# Altium PCB MB1801.PcbDoc (part 1 of 2)
Units mm, origin at the board's own origin, x right, y up, seen from the top; angles counter-clockwise.
Board outline 70.1 x 57.1 mm, 2 copper layers (Top Layer, Bottom Layer), stack 1.554 mm thick; 124 components, 115 nets, 557 pads, 485 vias.
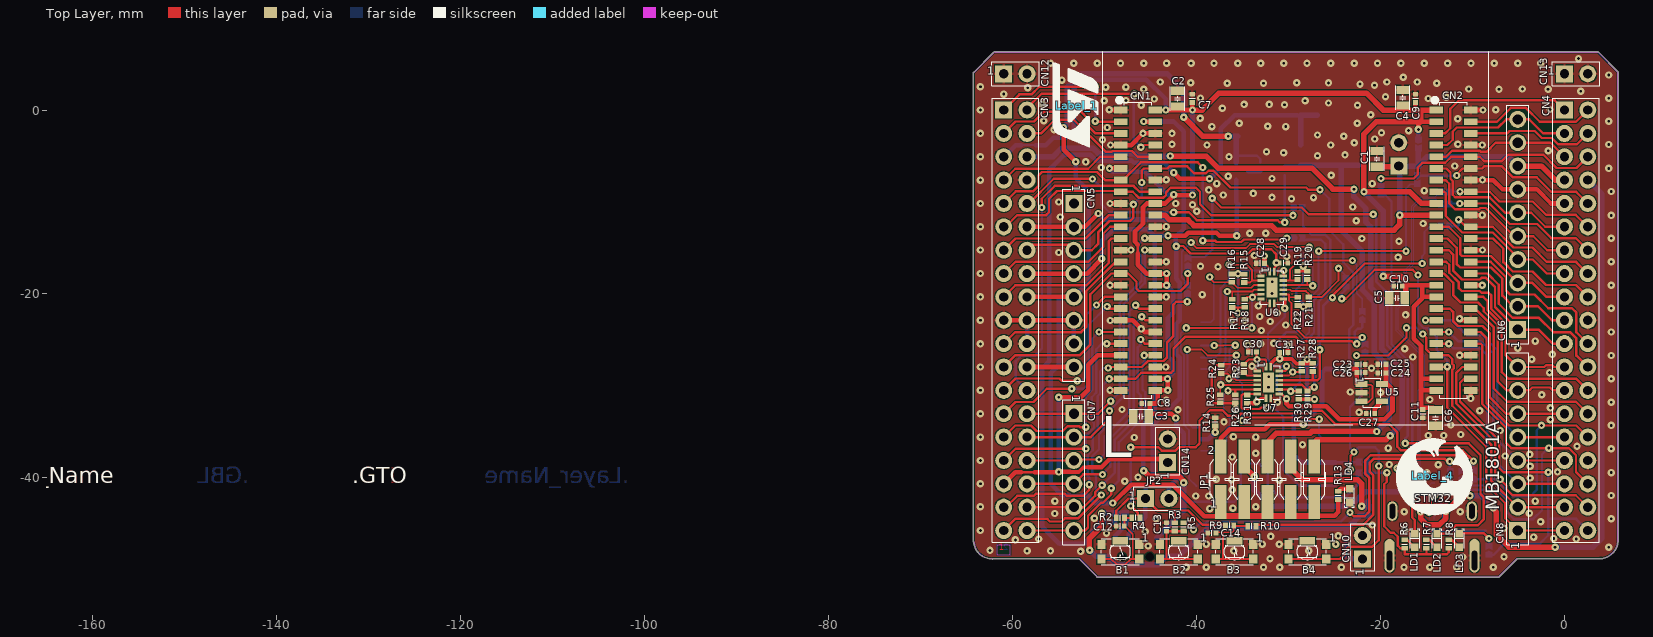
[diagram p0: Top Layer view]
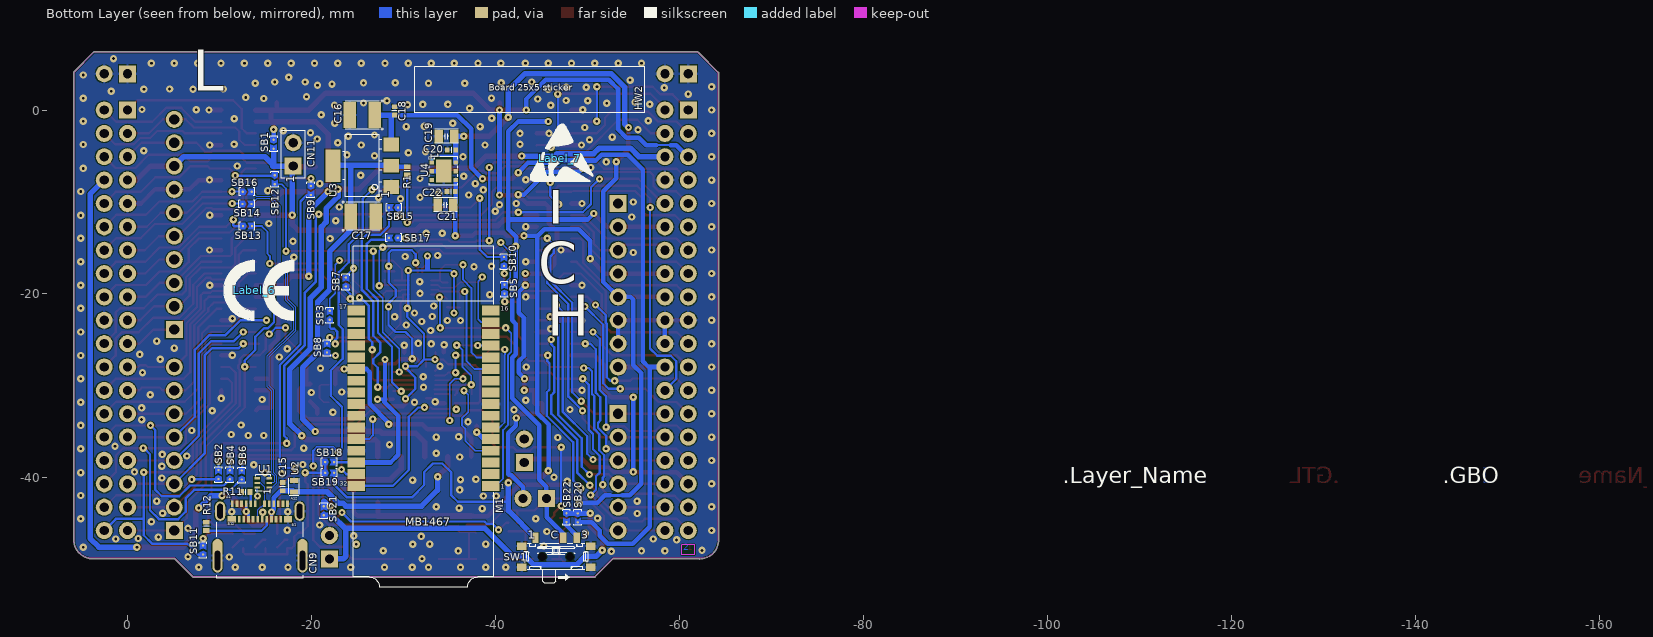
[diagram p1: Bottom Layer view, seen from below]
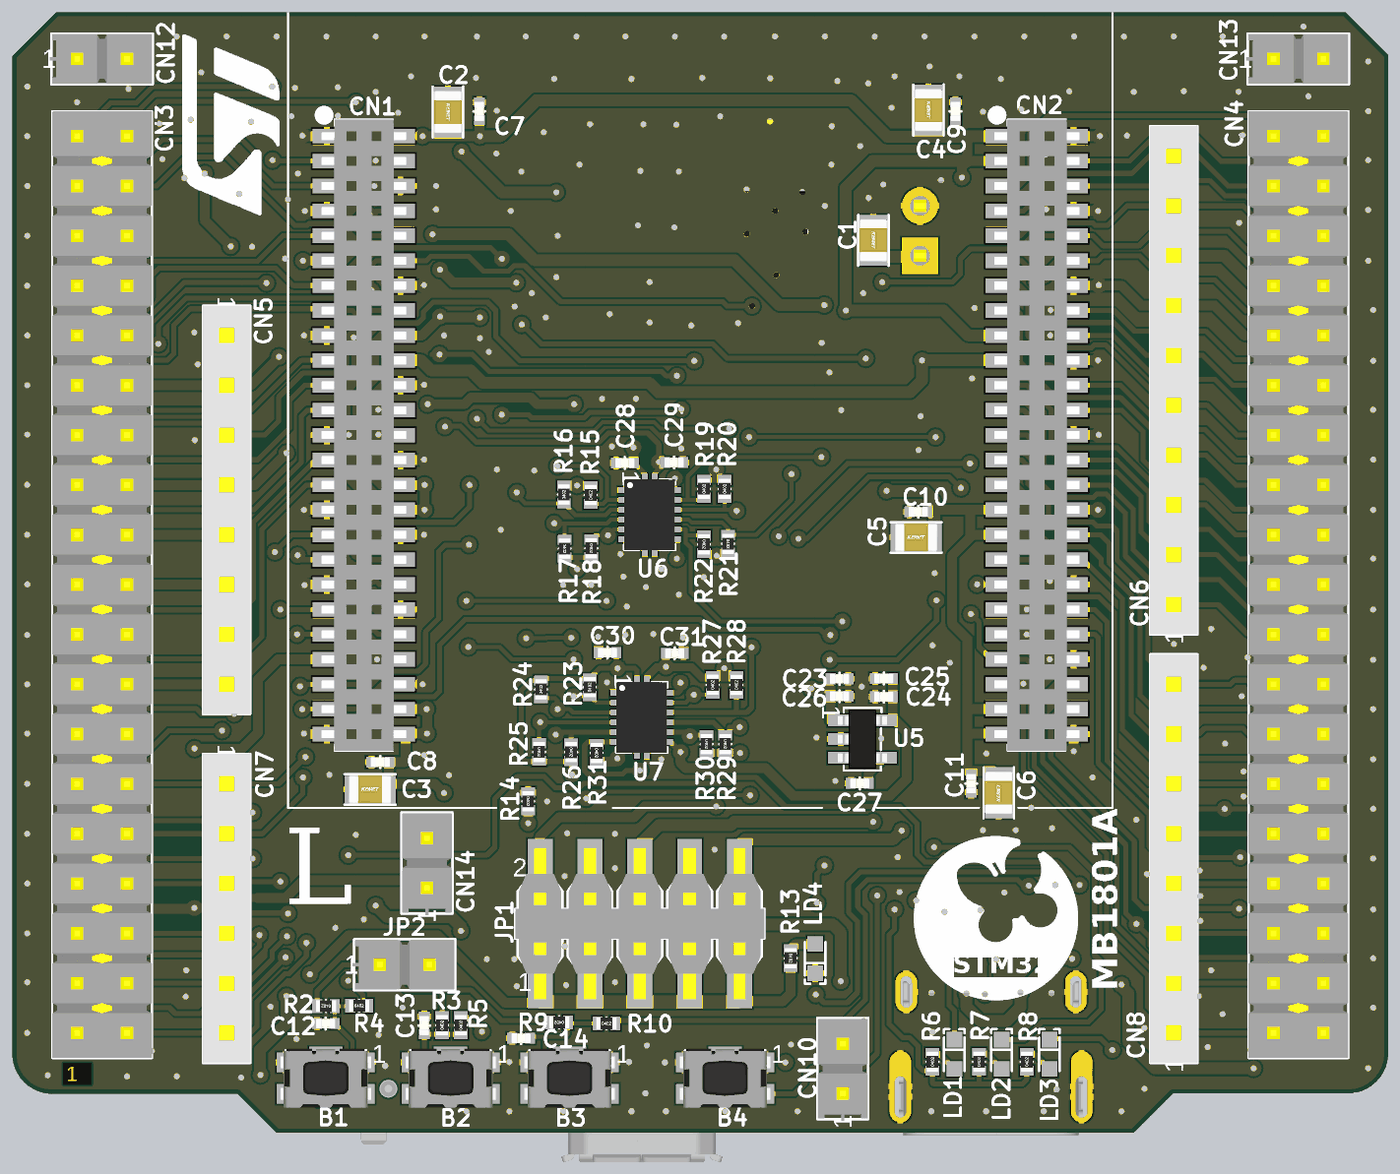
[diagram p3: 3D render of the assembled board from above, using the file's embedded part models]
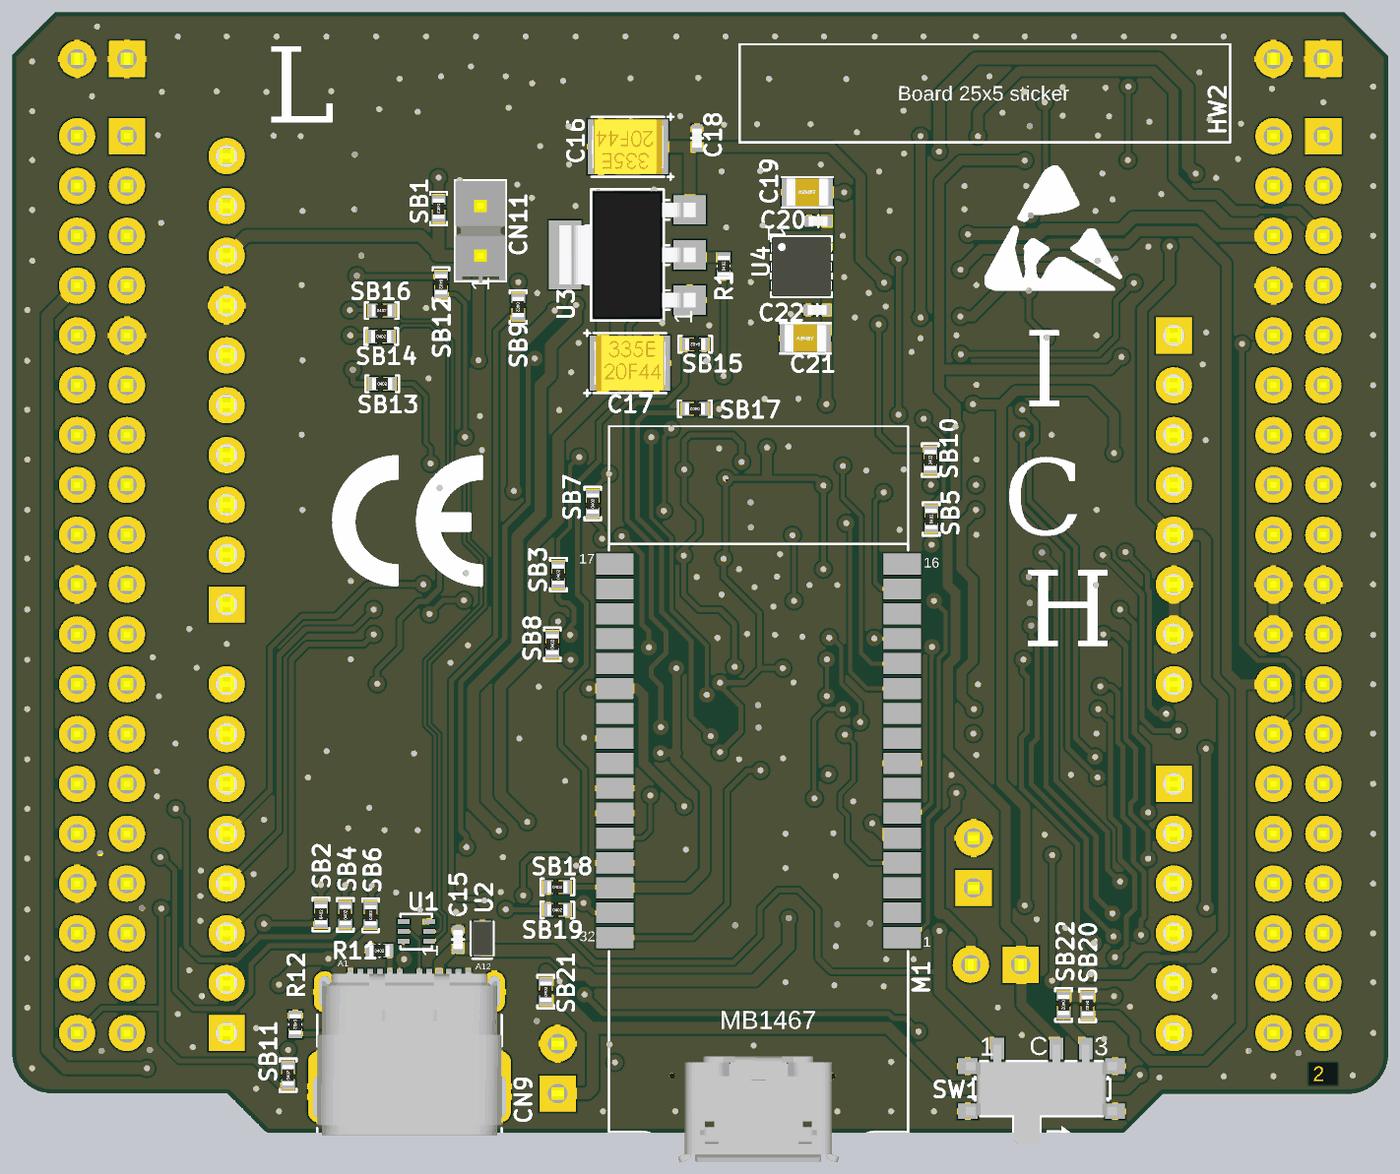
[diagram p4: 3D render of the assembled board from below, using the file's embedded part models]

## Layer stack, top to bottom
Top Solder: solder mask 0.0178, Solder Resist, Dk 4.2
Top Layer: signal copper 0.0406
Dielectric 1: dielectric 1.4732, FR-4, Dk 4.4
Bottom Layer: signal copper 0.0406
Bottom Solder: solder mask 0.0178, Solder Resist, Dk 4.2

## Board outline
-62.21,-48.818 ccw(c-62.21,-48.768) -62.183,-48.81 -52.79,-48.81 -50.822,-50.778 ccw(c-50.786,-50.743) -50.786,-50.793 -7.131,-50.793 ccw(c-7.131,-50.743) -7.095,-50.778 -5.11,-48.793 3.79,-48.793 ccw(c3.79,-46.743) 5.84,-46.743 ccw(c5.79,-46.743) 5.84,-46.742 5.84,2.211 5.84,4.125 ccw(c5.79,4.125) 5.825,4.161 5.826,4.16 3.693,6.293 3.694,6.292 ccw(c3.658,6.257) 3.658,6.307 -62.001,6.307 ccw(c-62.001,6.257) -62.037,6.292 -62.037,6.293 -64.246,4.084 -64.245,4.084 ccw(c-64.21,4.048) -64.26,4.048 -64.26,-46.768 ccw(c-64.21,-46.768) -64.26,-46.769 cw(c-62.21,-46.768) -64.26,-46.768 -64.26,-46.769 ccw(c-62.21,-46.768)

## Design rules (kind name [scope] priority, off if disabled: settings)
Clearance [All] p1: gap=0.1 ignorepadtopadclearanceinfootprint=FALSE
ComponentClearance [All] p1: gap=0.2 collisioncheckmode=3 verticalgap=0.2 showdistances=FALSE
DiffPairsRouting [All] p1: maxlimit=0.102 minlimit=0.102 mostfreqgap=0.102 toplayer_minwidth=0.12 toplayer_maxwidth=0.12 toplayer_prefwidth=0.12 bottomlayer_minwidth=0.12 bottomlayer_maxwidth=0.12 bottomlayer_prefwidth=0.12 maxuncoupledlength=12.7
HoleSize [All] p1: absolutevalues=TRUE maxlimit=10 minlimit=0.025 maxpercent=80.000 minpercent=20.000
MatchedLengths "Schematic Matched Net Lengths_3" [InNet('USB_C_N')] p1: tolerance=2 checknetsindiffpair=TRUE checkdiffpairvsdiffpair=FALSE checkxsignals=FALSE checkothers=FALSE
MatchedLengths "Schematic Matched Net Lengths_2" [InNet('USB_C_P')] p2: tolerance=2 checknetsindiffpair=TRUE checkdiffpairvsdiffpair=FALSE checkxsignals=FALSE checkothers=FALSE
MatchedLengths "Schematic Matched Net Lengths_1" [InNet('USB_P')] p3: tolerance=2 checknetsindiffpair=TRUE checkdiffpairvsdiffpair=FALSE checkxsignals=FALSE checkothers=FALSE
MatchedLengths "Schematic Matched Net Lengths" [InNet('USB_N')] p4: tolerance=2 checknetsindiffpair=TRUE checkdiffpairvsdiffpair=FALSE checkxsignals=FALSE checkothers=FALSE
MaxMinImpedance "Schematic Impedance Constraint_8" [InNet('USB_C_P')] p1: minimum=85,00 maximum=95,00
MaxMinImpedance "Schematic Impedance Constraint_7" [InNet('USB_P')] p2: minimum=85,00 maximum=95,00
MaxMinImpedance "Schematic Impedance Constraint_6" [InNet('USB_C_N')] p3: minimum=85,00 maximum=95,00
MaxMinImpedance "Schematic Impedance Constraint" [InNet('USB_N')] p4: minimum=85,00 maximum=95,00
MinimumSolderMaskSliver [All] p1: minsoldermaskwidth=0.1
PlaneConnect [All] p1: planeconnectstyle=Direct reliefexpansion=0.508 reliefentries=4 reliefconductorwidth=0.21 reliefairgap=0.21
PolygonConnect PolygonConnect_via [IsVia] p1: connectstyle=Direct reliefconductorwidth=0.254 reliefentries=4 polygonreliefangle="90 Angle" airgapwidth=0.254
PolygonConnect [All] p2: connectstyle=Relief reliefconductorwidth=0.3 reliefentries=4 polygonreliefangle="90 Angle" airgapwidth=0.1
RoutingVias [All] p1: holewidth=0.3 width=0.8 viastyle="Through Hole" minholewidth=0.3 minwidth=0.8 maxholewidth=0.3 maxwidth=0.8
SilkToSilkClearance [All] p1: silktosilkclearance=0.2
SilkToSolderMaskClearance [IsPad] p1: minsilkscreentomaskgap=0.2 clearancetoexposedcopper=TRUE
SolderMaskExpansion [All] p1: expansion=0.102 istentingtop=FALSE
Width [All] p1: maxlimit=1 minlimit=0.2 preferedwidth=0.2 minimp=50.000000 maximp=50.000000 favimp=50.000000
23 further rules are at their usual default settings.

## Classes and differential pairs
component class Project_Overview: HW1 HW2
component class "STLINK-V3MODS & Level Shifter": C23 C24 C25 C26 C27 C28 C29 C30 C31 M1 R14 R15 R16 R17 R18 R19 R20 R21 R22 R23 R24 R25 R26 R27 R28 R29 R30 R31 U5 U6 U7
component class "Power Management": C16 C17 C18 C19 C20 C21 C22 CN10 CN12 CN13 HW1 JP1 JP2 LD4 R13 SB20 SB21 SB22 SW1 U3 U4
component class "LEDs & Push Buttons & USB-C Connector": B1 B2 B3 B4 C12 C13 C14 C15 CN9 LD1 LD2 LD3 R2 R3 R4 R5 R6 R7 R8 R9 R10 R11 R12 SB18 SB19 U1 U2
component class "Extension Connectors": C1 C2 C3 C4 C5 C6 C7 C8 C9 C10 C11 CN1 CN2 CN3 CN4 CN5 CN6 CN7 CN8 CN11 CN14 R1 SB1 SB2 SB3 SB4 SB5 SB6 SB7 SB8 SB9 SB10 SB11 SB12 SB13 SB14 SB15 SB16 SB17
differential pair USB: +USB_P -USB_N
differential pair USB_C: +USB_C_P -USB_C_N

## Components (designator, comment, footprint, x,y, rotation, side; value= is the part's Value field where it differs from the comment)
B1 "SW-PUSH-CMS_KMR2_BLACK" SWI_C&K_Y78B23110FP__ITT_KMR231GLFS -48.29,-48.022 r0 top value=KMR231GLFS
B2 "SW-PUSH-CMS_KMR2_BLACK" SWI_C&K_Y78B23110FP__ITT_KMR231GLFS -41.93,-48.022 r0 top value=KMR231GLFS
B3 "SW-PUSH-CMS_KMR2_BLACK" SWI_C&K_Y78B23110FP__ITT_KMR231GLFS -35.871,-48.022 r0 top locked value=KMR231GLFS
B4 "SW-PUSH-CMS_KMR2_BLACK" SWI_C&K_Y78B23110FP__ITT_KMR231GLFS -27.946,-48.022 r0 top locked value=KMR231GLFS
C1 "Capacitor" C0805_H0P85 -20.387,-5.308 r270 top value=1uF
C2 "Capacitor" C0805_H0P85 -42.066,1.23 r270 top value=1uF
C3 "Capacitor" C0805_H0P85 -46.035,-33.303 r0 top value=1uF
C4 "Capacitor" C0805_H0P85 -17.58,1.331 r270 top value=1uF
C5 "Capacitor" C0805_H0P85 -18.207,-20.457 r0 top value=1uF
C6 "Capacitor" C0805_H0P85 -13.999,-33.472 r90 top value=1uF
C7 "Capacitor" C0402 -40.464,1.268 r270 top value=100nF
C8 "Capacitor" C0402 -45.514,-31.904 r0 top value=100nF
C9 "Capacitor" C0402 -16.207,1.268 r270 top value=100nF
C10 "Capacitor" C0402 -18.1,-19.146 r0 top value=100nF
C11 "Capacitor" C0402 -15.403,-33.003 r90 top value=100nF
C12 "Capacitor" C0402 -48.293,-45.236 r0 top value=10nF
C13 "Capacitor" C0402 -43.272,-45.336 r270 top value=10nF
C14 "Capacitor" C0402 -38.339,-45.984 r0 top value=10nF
C15 "Capacitor" C0402 -16.87,-40.95 r270 bottom value=100pF
C16 "Cap_POL_TANA" CPOL_TAJ-B_1210_H210 -25.521,-0.546 r0 bottom value=10uF
C17 "Cap_POL_TANA" CPOL_TAJ-B_1210_H210 -25.621,-11.567 r180 bottom value=10uF
C18 "Capacitor" C0402 -29.046,-0.101 r270 bottom value=100nF
C19 "Capacitor" C0805_H0P85 -34.671,-2.864 r180 bottom value=1uF
C20 "Capacitor" C0402 -35.221,-4.332 r180 bottom value=100nF
C21 "Capacitor" C0805_H0P85 -34.569,-10.308 r180 bottom value=1uF
C22 "Capacitor" C0402 -35.171,-8.859 r180 bottom value=100nF
C23 "Capacitor" C0402 -22.113,-27.661 r180 top value=1uF
C24 "Capacitor" C0402 -19.852,-28.575 r0 top value=1uF
C25 "Capacitor" C0402 -19.852,-27.643 r0 top value=100nF
C26 "Capacitor" C0402 -22.113,-28.55 r180 top value=100nF
C27 "Capacitor" C0402 -21.082,-32.995 r0 top value=100nF
C28 "Capacitor" C0402 -33.049,-16.656 r180 top value=100nF
C29 "Capacitor" C0402 -30.54,-16.63 r180 top value=100nF
C30 "Capacitor" C0402 -33.935,-26.327 r180 top value=100nF
C31 "Capacitor" C0402 -30.51,-26.362 r180 top value=100nF
CN1 "CLP-125-02-F-D" CLP-125-02-F-D -46.355,-15.24 r0 top locked
CN2 "CLP-125-02-F-D" CLP-125-02-F-D -12.065,-15.24 r0 top locked
CN3 "Header 19x2" CON_SAMTEC_TSW-119-09-X-D -59.69,-22.86 r270 top locked
CN4 "Header 19x2" CON_SAMTEC_TSW-119-09-X-D 1.27,-22.86 r270 top locked
CN5 "Socket 8x1" CON_SAMTEC_SSW-108-01-X-S -53.34,-19.05 r270 top locked
CN6 "Socket 10x1" CON_SAMTEC_SSW-110-01-X-S -5.08,-12.446 r90 top locked
CN7 "Socket 6x1" CON_SAMTEC_SSW-106-01-X-S -53.34,-39.37 r270 top locked
CN8 "Socket 8x1" CON_SAMTEC_SSW-108-01-X-S -5.08,-36.83 r90 top locked
CN9 "USB_TYPE_C_Receptacle" CON_USB-TYPEC_MOLEX_2012670005 -14.392,-45.892 r180 bottom value=USB_C_2012670005
CN10 "Header 2x1" CON_SAMTEC_TSW-102-07-G-S -21.949,-47.535 r90 top
CN11 "Header 2x1" CON_SAMTEC_TSW-102-07-G-S -18.013,-4.823 r90 bottom
CN12 "Header 2x1" CON_SAMTEC_TSW-102-07-G-S -59.69,3.937 r0 top
CN13 "Header 2x1" CON_SAMTEC_TSW-102-07-G-S 1.27,3.937 r0 top locked
CN14 "Header 2x1" CON_SAMTEC_TSW-102-07-G-S -43.135,-37.049 r90 top
HW2 "STICKER_BOARD" STICKER_BOARD_25X5 -43.711,2.183 r180 bottom value="Sticker board"
JP1 "Jumper_Header 5x2 Fitted 1-2" CON_SAMTEC_TSM-105-01-L-DV -32.288,-40.146 r0 top value="Header 5x2"
JP2 "Jumper_Header 2x1 Fitted" CON_SAMTEC_TSW-102-07-G-S -44.271,-42.237 r0 top value="Header 2x1"
Label_1 "LOGO_ST" LOGO_ST_Size3 -53.029,0.465 r90 top
Label_4 "LOGO_STM32" LOGO_STM32 -14.298,-39.75 r0 top
Label_6 "LOGO_CE" "LOGO CE" -13.764,-19.607 r180 bottom
Label_7 "LOGO_ESD" "LOGO ESD" -46.982,-5.223 r180 bottom
LD1 "LED_blue" LED_0603_VISHAY_VLMB1300-GS08_BLUE_1A2K_H0P8 -16.266,-46.8 r90 top value=BLUE
LD2 "LED_green" LED_0603_VISHAY_VLMTG1300-GS08_GREEN_1A2K_H0P8 -13.852,-46.8 r90 top value="TRUE GREEN"
LD3 "LED_red" LED_0603_VISHAY_VLMS1300-GS08_RED_1A2K_H0P8 -11.424,-46.8 r90 top value=RED
LD4 "LED_green" LED_0603_VISHAY_VLMTG1300-GS08_GREEN_1A2K_H0P8 -23.355,-41.931 r270 top value="TRUE GREEN"
M1 "STLINK-V3MODS" MOD_STLINK-V3M_MB1467_TYPEC -32.178,-31.334 r180 bottom locked
R1 "Resistor" R0402 -30.397,-6.623 r90 bottom value=1K
R2 "Resistor" R0402 -48.278,-44.343 r180 top value=10K
R3 "Resistor" R0402 -42.365,-45.321 r90 top value=10K
R4 "Resistor" R0402 -46.591,-44.324 r0 top value=1K
R5 "Resistor" R0402 -41.408,-45.319 r90 top value=1K
R6 "Resistor" R0402 -17.374,-47.185 r90 top value=680R
R7 "Resistor" R0402 -15.006,-47.184 r90 top value=680R
R8 "Resistor" R0402 -12.577,-47.185 r90 top value=680R
R9 "Resistor" R0402 -36.398,-45.173 r180 top value=10K
R10 "Resistor" R0402 -33.989,-45.232 r0 top value=1K
R11 "Resistor" R0402 -12.865,-41.53 r180 bottom value=5K1
R12 "Resistor" R0402 -8.57,-45.275 r270 bottom value=5K1
R13 "Resistor" R0402 -24.6,-41.902 r270 top value=1K
R14 "Resistor" R0402 -37.978,-33.907 r270 top value=100R
R15 "Resistor" R0402 -34.796,-18.293 r90 top value=100K
R16 "Resistor" R0402 -36.158,-18.268 r90 top value=100K
R17 "Resistor" R0402 -36.122,-21.024 r270 top value=100K
R18 "Resistor" R0402 -34.76,-21.009 r270 top value=100K
R19 "Resistor" R0402 -29.021,-17.977 r90 top value=100K
R20 "Resistor" R0402 -27.969,-17.978 r90 top value=100K
R21 "Resistor" R0402 -27.793,-20.782 r270 top value=100K
R22 "Resistor" R0402 -29.015,-20.807 r270 top value=100K
R23 "Resistor" R0402 -34.846,-28.092 r90 top value=100K
R24 "Resistor" R0402 -37.329,-28.201 r90 top value=100K
R25 "Resistor" R0402 -37.417,-31.392 r270 top value=100K
R26 "Resistor" R0402 -35.784,-31.401 r270 top value=100K
R27 "Resistor" R0402 -28.58,-27.967 r90 top value=100K
R28 "Resistor" R0402 -27.374,-27.976 r90 top value=100K
R29 "Resistor" R0402 -27.935,-30.992 r270 top value=100K
R30 "Resistor" R0402 -28.889,-30.992 r270 top value=100K
R31 "Resistor" R0402 -34.491,-31.442 r270 top value=100K
SB1 "SB_ON" SOLDER-BRIDGE_R0402-0R -15.878,-3.692 r270 bottom
SB2 "SB_ON" SOLDER-BRIDGE_R0402-0R -9.884,-39.672 r90 bottom
SB3 "SB_ON" SOLDER-BRIDGE_R0402-0R -21.98,-22.35 r90 bottom
SB4 "SB_ON" SOLDER-BRIDGE_R0402-0R -11.123,-39.697 r90 bottom
SB5 "SB_ON" SOLDER-BRIDGE_R0402-0R -40.979,-19.516 r90 bottom
SB6 "SB_ON" SOLDER-BRIDGE_R0402-0R -12.416,-39.718 r90 bottom
SB7 "SB_OFF" SOLDER-BRIDGE_R0402-0R -23.733,-18.729 r90 bottom value=SB0402
SB8 "SB_OFF" SOLDER-BRIDGE_R0402-0R -21.675,-25.904 r90 bottom value=SB0402
SB9 "SB_ON" SOLDER-BRIDGE_R0402-0R -19.932,-8.712 r270 bottom
SB10 "SB_ON" SOLDER-BRIDGE_R0402-0R -40.931,-16.513 r90 bottom
SB11 "SB_ON" SOLDER-BRIDGE_R0402-0R -8.211,-47.869 r90 bottom
SB12 "SB_OFF" SOLDER-BRIDGE_R0402-0R -16.002,-7.544 r270 bottom value=SB0402
SB13 "SB_OFF" SOLDER-BRIDGE_R0402-0R -13.005,-12.624 r180 bottom value=SB0402
SB14 "SB_OFF" SOLDER-BRIDGE_R0402-0R -12.954,-10.211 r180 bottom value=SB0402
SB15 "SB_ON" SOLDER-BRIDGE_R0402-0R -28.956,-10.608 r0 bottom
SB16 "SB_OFF" SOLDER-BRIDGE_R0402-0R -12.979,-8.89 r180 bottom value=SB0402
SB17 "SB_ON" SOLDER-BRIDGE_R0402-0R -28.936,-13.901 r0 bottom
SB18 "SB_ON" SOLDER-BRIDGE_R0402-0R -21.93,-38.278 r180 bottom
SB19 "SB_OFF" SOLDER-BRIDGE_R0402-0R -21.93,-39.446 r180 bottom value=SB0402
SB20 "SB_OFF" SOLDER-BRIDGE_R0402-0R -48.943,-44.311 r270 bottom value=SB0402
SB21 "SB_OFF" SOLDER-BRIDGE_R0402-0R -21.339,-43.61 r90 bottom value=SB0402
SB22 "SB_OFF" SOLDER-BRIDGE_R0402-0R -47.724,-44.29 r270 bottom value=SB0402
SW1 "SW_MECA" SWI_SPDT-RA_TE-CONNECTIVITY_MLL1200S_1P2T -46.6,-48.559 r180 bottom locked value=Switch-Slider_3x1_MLL1200S
U1 "ECMF02-2AMX6" ESD_QFN-6L_1P7X1P5_P050 -14.741,-40.55 r90 bottom
U2 "ESD-TRANSIL" ESD_QFN1610_2N_1K_2A -18.1,-40.9 r90 bottom value=ESDA25P35-1U1M
U3 "LD1117S50TR" REG_SOT223-TAB -25.496,-6.057 r90 bottom
U4 "LD39050PU33R" ICC_DFN6-EPAD_3X3_P095 -34.371,-6.655 r270 bottom
U5 "LD3985M33R" REG_SOT23-5L -20.948,-30.738 r270 top
U6 "74AVC4TD245BQ" ICC_DHVQFN16-EPAD_SOT763-1_2P5X3P5_H0P85_P050 -31.79,-19.291 r0 top
U7 "74AVC4TD245BQ" ICC_DHVQFN16-EPAD_SOT763-1_2P5X3P5_H0P85_P050 -32.19,-29.63 r0 top
? "Comment" PCB_SPECIFICATIONS -182.118,65.278 r0 top
? "Comment" Sheetbox_2L2S -182.474,-52.857 r0 top

## Footprints (in the part's own frame and the unit in brackets; to place one, negate y for a bottom-side part, rotate by r counter-clockwise, add the part's x,y. Pads: shape width x height; smd on the part's side, far side on the other; paste and mask are expansions set on the pad)
C0402 [mm]
  rect 0.51x0.56 smd mask+0.05: 1(-0.45,0) 2(0.45,0)
  silkscreen extent 0,-0.3 0,0.3, body extent -0.5,-0.3 0.5,0.3, height 0.4
C0805_H0P85 [mm] "MCD-01525"
  rect 0.9x1.4 smd mask+0.05: 1(-0.85,0) 2(0.85,0)
  silkscreen extent -1.3,-0.77 1.3,0.77, body extent -1.1,-0.73 1.1,0.73, height 0.95
CLP-125-02-F-D [mm] "Socket 2x25 1.27mm SAMTEC (CLP-125-02-F-D)"
  rect 1.47x0.74 smd: 1(-1.87,15.24) 2(1.87,15.24) 3(-1.87,13.97) 4(1.87,13.97) 5(-1.87,12.7) 6(1.87,12.7) 7(-1.87,11.43) 8(1.87,11.43) 9(-1.87,10.16) 10(1.87,10.16) 11(-1.87,8.89) 12(1.87,8.89) 13(-1.87,7.62) 14(1.87,7.62) 15(-1.87,6.35) 16(1.87,6.35) 17(-1.87,5.08) 18(1.87,5.08) 19(-1.87,3.81) 20(1.87,3.81) 21(-1.87,2.54) 22(1.87,2.54) 23(-1.87,1.27) 24(1.87,1.27) 25(-1.87,0) 26(1.87,0) 27(-1.87,-1.27) 28(1.87,-1.27) 29(-1.87,-2.54) 30(1.87,-2.54) 31(-1.87,-3.81) 32(1.87,-3.81) 33(-1.87,-5.08) 34(1.87,-5.08) 35(-1.87,-6.35) 36(1.87,-6.35) 37(-1.87,-7.62) 38(1.87,-7.62) 39(-1.87,-8.89) 40(1.87,-8.89) 41(-1.87,-10.16) 42(1.87,-10.16) 43(-1.87,-11.43) 44(1.87,-11.43) 45(-1.87,-12.7) 46(1.87,-12.7) 47(-1.87,-13.97) 48(1.87,-13.97) 49(-1.87,-15.24) 50(1.87,-15.24)
  silkscreen extent -2.25,-16.09 1.49,16.54, body extent -2.15,-16.09 2.17,16.09, height 2.27
CON_SAMTEC_SSW-106-01-X-S [mm] "MCD-02079"
  rect 1.85x1.85 / inner round 1.85 / far side rect 1.85x1.85 hole 1.1 mask+0.05: 1(-6.35,0)
  round 1.85 hole 1.1 mask+0.05: 2(-3.81,0) 3(-1.27,0) 4(1.27,0) 5(3.81,0) 6(6.35,0)
  silkscreen extent -7.88,-1.2 7.88,1.2, body extent -7.88,-1.21 7.88,1.21, height 8.51
CON_SAMTEC_SSW-108-01-X-S [mm] "MCD-01743"
  rect 1.85x1.85 / inner round 1.85 / far side rect 1.85x1.85 hole 1.1 mask+0.05: 1(-8.89,0)
  round 1.85 hole 1.1 mask+0.05: 2(-6.35,0) 3(-3.81,0) 4(-1.27,0) 5(1.27,0) 6(3.81,0) 7(6.35,0) 8(8.89,0)
  silkscreen extent -10.42,-1.2 10.42,1.2, body extent -10.42,-1.21 10.42,1.21, height 8.51
CON_SAMTEC_SSW-110-01-X-S [mm] "MCD-02080"
  rect 1.85x1.85 / inner round 1.85 / far side rect 1.85x1.85 hole 1.1 mask+0.05: 1(-11.43,0)
  round 1.85 hole 1.1 mask+0.05: 2(-8.89,0) 3(-6.35,0) 4(-3.81,0) 5(-1.27,0) 6(1.27,0) 7(3.81,0) 8(6.35,0) 9(8.89,0) 10(11.43,0)
  silkscreen extent -12.96,-1.2 12.96,1.2, body extent -12.96,-1.21 12.96,1.21, height 8.51
CON_SAMTEC_TSM-105-01-L-DV [mm]
  rect 1.27x3.68 smd paste+0 mask+0.05: 1(-5.08,-2.475) 2(-5.08,2.475) 3(-2.54,-2.475) 4(-2.54,2.475) 5(0,-2.475) 6(0,2.475) 7(2.54,-2.475) 8(2.54,2.475) 9(5.08,-2.475) 10(5.08,2.475)
  silkscreen extent -6.35,-2.16 6.35,2.16, body extent -6.35,-3.85 6.35,3.85, height 9.65
CON_SAMTEC_TSW-102-07-G-S [mm]
  rect 1.85x1.85 / inner round 1.85 / far side rect 1.85x1.85 hole 1 mask+0.05: 1(-1.27,0)
  round 1.85 hole 1 mask+0.05: 2(1.27,0)
  silkscreen extent -2.58,-1.3 2.58,1.3, body extent -2.67,-1.3 2.58,1.3, height 8.38
CON_SAMTEC_TSW-119-09-X-D [mm]
  rect 1.85x1.85 / inner round 1.85 / far side rect 1.85x1.85 hole 1 mask+0.05: 1(-22.86,-1.27)
  round 1.85 hole 1 mask+0.05: 2(-22.86,1.27) 3(-20.32,-1.27) 4(-20.32,1.27) 5(-17.78,-1.27) 6(-17.78,1.27) 7(-15.24,-1.27) 8(-15.24,1.27) 9(-12.7,-1.27) 10(-12.7,1.27) 11(-10.16,-1.27) 12(-10.16,1.27) 13(-7.62,-1.27) 14(-7.62,1.27) 15(-5.08,-1.27) 16(-5.08,1.27) 17(-2.54,-1.27) 18(-2.54,1.27) 19(0,-1.27) 20(0,1.27) 21(2.54,-1.27) 22(2.54,1.27) 23(5.08,-1.27) 24(5.08,1.27) 25(7.62,-1.27) 26(7.62,1.27) 27(10.16,-1.27) 28(10.16,1.27) 29(12.7,-1.27) 30(12.7,1.27) 31(15.24,-1.27) 32(15.24,1.27) 33(17.78,-1.27) 34(17.78,1.27) 35(20.32,-1.27) 36(20.32,1.27) 37(22.86,-1.27) 38(22.86,1.27)
  silkscreen extent -24.13,-2.54 24.13,2.54, body extent -24.13,-2.55 24.13,2.54, height 8.38
CON_USB-TYPEC_MOLEX_2012670005 [mm] "MCD-02421"
  rect 0.3x0.7 smd mask+0.05: A1(-3,3.085) A2(-2.5,3.085) A3(-2,3.085) A4(-1.5,3.085) A5(-1,3.085) A6(-0.5,3.085) A7(0.5,3.085) A8(1,3.085) A9(1.5,3.085) A10(2,3.085) A11(2.5,3.085) A12(3,3.085) B2(2.25,1.385) B3(1.75,1.385) B4(1.25,1.385) B5(0.75,1.385) B6(0.25,1.385) B7(-0.25,1.385) B8(-0.75,1.385) B9(-1.25,1.385) B10(-1.75,1.385) B11(-2.25,1.385)
  rect 0.9x0.7 smd mask+0.05: B1(3.05,1.385) B12(-3.05,1.385)
  oval 1.1x2.1 hole 0.6 slot 1.6 at 90 deg mask+0.05: SH1(-4.32,2.275) SH2(4.32,2.275)
  oval 1.1x2.6 hole 0.6 slot 2.1 at 90 deg mask+0.05: SH3(-4.62,-3.085) SH4(4.62,-3.085)
  oval 1.1x3.6 all layers, no hole mask+0.05: SH3(-4.62,-2.55) SH4(4.62,-2.55)
  silkscreen extent -4.7,-5.02 4.7,1.1, body extent -4.7,-5.03 4.69,3.27, height 3.67
CPOL_TAJ-B_1210_H210 [mm]
  rect 1.35x2.8 smd mask+0.05: 1(-1.375,0) 2(1.375,0)
  silkscreen extent -2.33,-1.68 1.85,1.68, body extent -1.85,-1.5 1.85,1.5, height 2.11
ESD_QFN1610_2N_1K_2A [mm] "DFN, 2-Leads, Body 1.60x1.00mm"
  rect 0.55x0.9 smd mask+0.05: 1(-0.625,0) 2(0.625,0)
  silkscreen extent -1.02,-0.58 0.85,0.58, body extent -0.85,-0.55 0.85,0.55, height 0.6
ESD_QFN-6L_1P7X1P5_P050 [mm]
  rect 0.25x0.6 smd mask+0.05: 1(-0.5,-0.65) 2(0,-0.65) 3(0.5,-0.65) 4(0.5,0.65) 5(0,0.65) 6(-0.5,0.65)